# Allegro board SDHCalFEB.brd (continued)
## Nets (continued)
ANALOGIN47_ASIC_C3: C917.2 U715.36(IN<46>)
ANALOGIN47_ASIC_C4: C1004.2 U780.36(IN<46>)
ANALOGIN48_ASIC_A1: C48.2 U65.37(IN<47>)
ANALOGIN48_ASIC_A2: C135.2 U130.37(IN<47>)
ANALOGIN48_ASIC_A3: C222.2 U195.37(IN<47>)
ANALOGIN48_ASIC_A4: C309.2 U260.37(IN<47>)
ANALOGIN48_ASIC_B1: C396.2 U325.37(IN<47>)
ANALOGIN48_ASIC_B5: C483.2 U390.37(IN<47>)
ANALOGIN48_ASIC_B6: C570.2 U455.37(IN<47>)
ANALOGIN48_ASIC_B7: C657.2 U520.37(IN<47>)
ANALOGIN48_ASIC_C1: C744.2 U585.37(IN<47>)
ANALOGIN48_ASIC_C2: C831.2 U650.37(IN<47>)
ANALOGIN48_ASIC_C3: C918.2 U715.37(IN<47>)
ANALOGIN48_ASIC_C4: C1005.2 U780.37(IN<47>)
ANALOGIN49_ASIC_A1: C49.2 U65.38(IN<48>)
ANALOGIN49_ASIC_A2: C136.2 U130.38(IN<48>)
ANALOGIN49_ASIC_A3: C223.2 U195.38(IN<48>)
ANALOGIN49_ASIC_A4: C310.2 U260.38(IN<48>)
ANALOGIN49_ASIC_B1: C397.2 U325.38(IN<48>)
ANALOGIN49_ASIC_B5: C484.2 U390.38(IN<48>)
ANALOGIN49_ASIC_B6: C571.2 U455.38(IN<48>)
ANALOGIN49_ASIC_B7: C658.2 U520.38(IN<48>)
ANALOGIN49_ASIC_C1: C745.2 U585.38(IN<48>)
ANALOGIN49_ASIC_C2: C832.2 U650.38(IN<48>)
ANALOGIN49_ASIC_C3: C919.2 U715.38(IN<48>)
ANALOGIN49_ASIC_C4: C1006.2 U780.38(IN<48>)
ANALOGIN50_ASIC_A1: C50.2 U65.39(IN<49>)
ANALOGIN50_ASIC_A2: C137.2 U130.39(IN<49>)
ANALOGIN50_ASIC_A3: C224.2 U195.39(IN<49>)
ANALOGIN50_ASIC_A4: C311.2 U260.39(IN<49>)
ANALOGIN50_ASIC_B1: C398.2 U325.39(IN<49>)
ANALOGIN50_ASIC_B5: C485.2 U390.39(IN<49>)
ANALOGIN50_ASIC_B6: C572.2 U455.39(IN<49>)
ANALOGIN50_ASIC_B7: C659.2 U520.39(IN<49>)
ANALOGIN50_ASIC_C1: C746.2 U585.39(IN<49>)
ANALOGIN50_ASIC_C2: C833.2 U650.39(IN<49>)
ANALOGIN50_ASIC_C3: C920.2 U715.39(IN<49>)
ANALOGIN50_ASIC_C4: C1007.2 U780.39(IN<49>)
ANALOGIN50_ASIC_D1: C1094.2 U845.39(IN<49>)
ANALOGIN50_ASIC_D2: C1181.2 U910.39(IN<49>)
ANALOGIN50_ASIC_D3: C1268.2 U975.39(IN<49>)
ANALOGIN50_ASIC_D4: C1355.2 U1040.39(IN<49>)
ANALOGIN51_ASIC_A1: C51.2 U65.43(IN<50>)
ANALOGIN51_ASIC_A2: C138.2 U130.43(IN<50>)
ANALOGIN51_ASIC_A3: C225.2 U195.43(IN<50>)
ANALOGIN51_ASIC_B1: C399.2 U325.43(IN<50>)
ANALOGIN51_ASIC_B5: C486.2 U390.43(IN<50>)
ANALOGIN51_ASIC_B6: C573.2 U455.43(IN<50>)
ANALOGIN51_ASIC_C1: C747.2 U585.43(IN<50>)
ANALOGIN51_ASIC_C2: C834.2 U650.43(IN<50>)
ANALOGIN51_ASIC_C3: C921.2 U715.43(IN<50>)
ANALOGIN51_ASIC_D1: C1095.2 U845.43(IN<50>)
ANALOGIN51_ASIC_D2: C1182.2 U910.43(IN<50>)
ANALOGIN51_ASIC_D3: C1269.2 U975.43(IN<50>)
ANALOGIN51_ASIC_D4: C1356.2 U1040.43(IN<50>)
ANALOGIN52_ASIC_A1: C52.2 U65.44(IN<51>)
ANALOGIN52_ASIC_A2: C139.2 U130.44(IN<51>)
ANALOGIN52_ASIC_A3: C226.2 U195.44(IN<51>)
ANALOGIN52_ASIC_B1: C400.2 U325.44(IN<51>)
ANALOGIN52_ASIC_B5: C487.2 U390.44(IN<51>)
ANALOGIN52_ASIC_B6: C574.2 U455.44(IN<51>)
ANALOGIN52_ASIC_C1: C748.2 U585.44(IN<51>)
ANALOGIN52_ASIC_C2: C835.2 U650.44(IN<51>)
ANALOGIN52_ASIC_C3: C922.2 U715.44(IN<51>)
ANALOGIN52_ASIC_D1: C1096.2 U845.44(IN<51>)
ANALOGIN52_ASIC_D2: C1183.2 U910.44(IN<51>)
ANALOGIN52_ASIC_D3: C1270.2 U975.44(IN<51>)
ANALOGIN52_ASIC_D4: C1357.2 U1040.44(IN<51>)
ANALOGIN53_ASIC_A1: C53.2 U65.45(IN<52>)
ANALOGIN53_ASIC_A2: C140.2 U130.45(IN<52>)
ANALOGIN53_ASIC_A3: C227.2 U195.45(IN<52>)
ANALOGIN53_ASIC_A4: C314.2 U260.45(IN<52>)
ANALOGIN53_ASIC_B1: C401.2 U325.45(IN<52>)
ANALOGIN53_ASIC_B5: C488.2 U390.45(IN<52>)
ANALOGIN53_ASIC_B6: C575.2 U455.45(IN<52>)
ANALOGIN53_ASIC_B7: C662.2 U520.45(IN<52>)
ANALOGIN53_ASIC_C1: C749.2 U585.45(IN<52>)
ANALOGIN53_ASIC_C2: C836.2 U650.45(IN<52>)
ANALOGIN53_ASIC_C3: C923.2 U715.45(IN<52>)
ANALOGIN53_ASIC_C4: C1010.2 U780.45(IN<52>)
ANALOGIN53_ASIC_D1: C1097.2 U845.45(IN<52>)
ANALOGIN53_ASIC_D2: C1184.2 U910.45(IN<52>)
ANALOGIN53_ASIC_D3: C1271.2 U975.45(IN<52>)
ANALOGIN53_ASIC_D4: C1358.2 U1040.45(IN<52>)
ANALOGIN54_ASIC_A1: C54.2 U65.46(IN<53>)
ANALOGIN54_ASIC_A2: C141.2 U130.46(IN<53>)
ANALOGIN54_ASIC_A3: C228.2 U195.46(IN<53>)
ANALOGIN54_ASIC_A4: C315.2 U260.46(IN<53>)
ANALOGIN54_ASIC_B1: C402.2 U325.46(IN<53>)
ANALOGIN54_ASIC_B5: C489.2 U390.46(IN<53>)
ANALOGIN54_ASIC_B6: C576.2 U455.46(IN<53>)
ANALOGIN54_ASIC_B7: C663.2 U520.46(IN<53>)
ANALOGIN54_ASIC_C1: C750.2 U585.46(IN<53>)
ANALOGIN54_ASIC_C2: C837.2 U650.46(IN<53>)
ANALOGIN54_ASIC_C3: C924.2 U715.46(IN<53>)
ANALOGIN54_ASIC_C4: C1011.2 U780.46(IN<53>)
ANALOGIN54_ASIC_D1: C1098.2 U845.46(IN<53>)
ANALOGIN54_ASIC_D2: C1185.2 U910.46(IN<53>)
ANALOGIN54_ASIC_D3: C1272.2 U975.46(IN<53>)
ANALOGIN54_ASIC_D4: C1359.2 U1040.46(IN<53>)
ANALOGIN55_ASIC_A1: C55.2 U65.47(IN<54>)
ANALOGIN55_ASIC_A2: C142.2 U130.47(IN<54>)
ANALOGIN55_ASIC_A3: C229.2 U195.47(IN<54>)
ANALOGIN55_ASIC_A4: C316.2 U260.47(IN<54>)
ANALOGIN55_ASIC_B1: C403.2 U325.47(IN<54>)
ANALOGIN55_ASIC_B5: C490.2 U390.47(IN<54>)
ANALOGIN55_ASIC_B6: C577.2 U455.47(IN<54>)
ANALOGIN55_ASIC_B7: C664.2 U520.47(IN<54>)
ANALOGIN55_ASIC_C1: C751.2 U585.47(IN<54>)
ANALOGIN55_ASIC_C2: C838.2 U650.47(IN<54>)
ANALOGIN55_ASIC_C3: C925.2 U715.47(IN<54>)
ANALOGIN55_ASIC_C4: C1012.2 U780.47(IN<54>)
ANALOGIN55_ASIC_D1: C1099.2 U845.47(IN<54>)
ANALOGIN55_ASIC_D2: C1186.2 U910.47(IN<54>)
ANALOGIN55_ASIC_D3: C1273.2 U975.47(IN<54>)
ANALOGIN55_ASIC_D4: C1360.2 U1040.47(IN<54>)
ANALOGIN56_ASIC_A1: C56.2 U65.48(IN<55>)
ANALOGIN56_ASIC_A2: C143.2 U130.48(IN<55>)
ANALOGIN56_ASIC_A3: C230.2 U195.48(IN<55>)
ANALOGIN56_ASIC_A4: C317.2 U260.48(IN<55>)
ANALOGIN56_ASIC_B1: C404.2 U325.48(IN<55>)
ANALOGIN56_ASIC_B5: C491.2 U390.48(IN<55>)
ANALOGIN56_ASIC_B6: C578.2 U455.48(IN<55>)
ANALOGIN56_ASIC_B7: C665.2 U520.48(IN<55>)
ANALOGIN56_ASIC_C1: C752.2 U585.48(IN<55>)
ANALOGIN56_ASIC_C2: C839.2 U650.48(IN<55>)
ANALOGIN56_ASIC_C3: C926.2 U715.48(IN<55>)
ANALOGIN56_ASIC_C4: C1013.2 U780.48(IN<55>)
ANALOGIN56_ASIC_D1: C1100.2 U845.48(IN<55>)
ANALOGIN56_ASIC_D2: C1187.2 U910.48(IN<55>)
ANALOGIN56_ASIC_D3: C1274.2 U975.48(IN<55>)
ANALOGIN56_ASIC_D4: C1361.2 U1040.48(IN<55>)
ANALOGIN57_ASIC_A1: C57.2 U65.49(IN<56>)
ANALOGIN57_ASIC_A2: C144.2 U130.49(IN<56>)
ANALOGIN57_ASIC_A3: C231.2 U195.49(IN<56>)
ANALOGIN57_ASIC_A4: C318.2 U260.49(IN<56>)
ANALOGIN57_ASIC_B1: C405.2 U325.49(IN<56>)
ANALOGIN57_ASIC_B5: C492.2 U390.49(IN<56>)
ANALOGIN57_ASIC_B6: C579.2 U455.49(IN<56>)
ANALOGIN57_ASIC_B7: C666.2 U520.49(IN<56>)
ANALOGIN57_ASIC_C1: C753.2 U585.49(IN<56>)
ANALOGIN57_ASIC_C2: C840.2 U650.49(IN<56>)
ANALOGIN57_ASIC_C3: C927.2 U715.49(IN<56>)
ANALOGIN57_ASIC_C4: C1014.2 U780.49(IN<56>)
ANALOGIN57_ASIC_D1: C1101.2 U845.49(IN<56>)
ANALOGIN57_ASIC_D2: C1188.2 U910.49(IN<56>)
ANALOGIN57_ASIC_D3: C1275.2 U975.49(IN<56>)
ANALOGIN57_ASIC_D4: C1362.2 U1040.49(IN<56>)
ANALOGIN58_ASIC_A1: C58.2 U65.50(IN<57>)
ANALOGIN58_ASIC_A2: C145.2 U130.50(IN<57>)
ANALOGIN58_ASIC_A3: C232.2 U195.50(IN<57>)
ANALOGIN58_ASIC_A4: C319.2 U260.50(IN<57>)
ANALOGIN58_ASIC_B1: C406.2 U325.50(IN<57>)
ANALOGIN58_ASIC_B5: C493.2 U390.50(IN<57>)
ANALOGIN58_ASIC_B6: C580.2 U455.50(IN<57>)
ANALOGIN58_ASIC_B7: C667.2 U520.50(IN<57>)
ANALOGIN58_ASIC_C1: C754.2 U585.50(IN<57>)
ANALOGIN58_ASIC_C2: C841.2 U650.50(IN<57>)
ANALOGIN58_ASIC_C3: C928.2 U715.50(IN<57>)
ANALOGIN58_ASIC_C4: C1015.2 U780.50(IN<57>)
ANALOGIN58_ASIC_D1: C1102.2 U845.50(IN<57>)
ANALOGIN58_ASIC_D2: C1189.2 U910.50(IN<57>)
ANALOGIN58_ASIC_D3: C1276.2 U975.50(IN<57>)
ANALOGIN58_ASIC_D4: C1363.2 U1040.50(IN<57>)
ANALOGIN59_ASIC_A1: C59.2 U65.51(IN<58>)
ANALOGIN59_ASIC_A2: C146.2 U130.51(IN<58>)
ANALOGIN59_ASIC_A3: C233.2 U195.51(IN<58>)
ANALOGIN59_ASIC_A4: C320.2 U260.51(IN<58>)
ANALOGIN59_ASIC_B1: C407.2 U325.51(IN<58>)
ANALOGIN59_ASIC_B5: C494.2 U390.51(IN<58>)
ANALOGIN59_ASIC_B6: C581.2 U455.51(IN<58>)
ANALOGIN59_ASIC_B7: C668.2 U520.51(IN<58>)
ANALOGIN59_ASIC_C1: C755.2 U585.51(IN<58>)
ANALOGIN59_ASIC_C2: C842.2 U650.51(IN<58>)
ANALOGIN59_ASIC_C3: C929.2 U715.51(IN<58>)
ANALOGIN59_ASIC_C4: C1016.2 U780.51(IN<58>)
ANALOGIN59_ASIC_D1: C1103.2 U845.51(IN<58>)
ANALOGIN59_ASIC_D2: C1190.2 U910.51(IN<58>)
ANALOGIN59_ASIC_D3: C1277.2 U975.51(IN<58>)
ANALOGIN59_ASIC_D4: C1364.2 U1040.51(IN<58>)
ANALOGIN60_ASIC_A1: C60.2 U65.52(IN<59>)
ANALOGIN60_ASIC_A2: C147.2 U130.52(IN<59>)
ANALOGIN60_ASIC_A3: C234.2 U195.52(IN<59>)
ANALOGIN60_ASIC_A4: C321.2 U260.52(IN<59>)
ANALOGIN60_ASIC_B1: C408.2 U325.52(IN<59>)
ANALOGIN60_ASIC_B5: C495.2 U390.52(IN<59>)
ANALOGIN60_ASIC_B6: C582.2 U455.52(IN<59>)
ANALOGIN60_ASIC_B7: C669.2 U520.52(IN<59>)
ANALOGIN60_ASIC_C1: C756.2 U585.52(IN<59>)
ANALOGIN60_ASIC_C2: C843.2 U650.52(IN<59>)
ANALOGIN60_ASIC_C3: C930.2 U715.52(IN<59>)
ANALOGIN60_ASIC_C4: C1017.2 U780.52(IN<59>)
ANALOGIN60_ASIC_D1: C1104.2 U845.52(IN<59>)
ANALOGIN60_ASIC_D2: C1191.2 U910.52(IN<59>)
ANALOGIN60_ASIC_D3: C1278.2 U975.52(IN<59>)
ANALOGIN60_ASIC_D4: C1365.2 U1040.52(IN<59>)
ANALOGIN61_ASIC_A1: C61.2 U65.53(IN<60>)
ANALOGIN61_ASIC_A2: C148.2 U130.53(IN<60>)
ANALOGIN61_ASIC_A3: C235.2 U195.53(IN<60>)
ANALOGIN61_ASIC_A4: C322.2 U260.53(IN<60>)
ANALOGIN61_ASIC_B1: C409.2 U325.53(IN<60>)
ANALOGIN61_ASIC_B5: C496.2 U390.53(IN<60>)
ANALOGIN61_ASIC_B6: C583.2 U455.53(IN<60>)
ANALOGIN61_ASIC_B7: C670.2 U520.53(IN<60>)
ANALOGIN61_ASIC_C1: C757.2 U585.53(IN<60>)
ANALOGIN61_ASIC_C2: C844.2 U650.53(IN<60>)
ANALOGIN61_ASIC_C3: C931.2 U715.53(IN<60>)
ANALOGIN61_ASIC_C4: C1018.2 U780.53(IN<60>)
ANALOGIN62_ASIC_A1: C62.2 U65.54(IN<61>)
ANALOGIN62_ASIC_A2: C149.2 U130.54(IN<61>)
ANALOGIN62_ASIC_A3: C236.2 U195.54(IN<61>)
ANALOGIN62_ASIC_A4: C323.2 U260.54(IN<61>)
ANALOGIN62_ASIC_B1: C410.2 U325.54(IN<61>)
ANALOGIN62_ASIC_B5: C497.2 U390.54(IN<61>)
ANALOGIN62_ASIC_B6: C584.2 U455.54(IN<61>)
ANALOGIN62_ASIC_B7: C671.2 U520.54(IN<61>)
ANALOGIN62_ASIC_C1: C758.2 U585.54(IN<61>)
ANALOGIN62_ASIC_C2: C845.2 U650.54(IN<61>)
ANALOGIN62_ASIC_C3: C932.2 U715.54(IN<61>)
ANALOGIN62_ASIC_C4: C1019.2 U780.54(IN<61>)
ANALOGIN63_ASIC_A1: C63.2 U65.55(IN<62>)
ANALOGIN63_ASIC_A2: C150.2 U130.55(IN<62>)
ANALOGIN63_ASIC_A3: C237.2 U195.55(IN<62>)
ANALOGIN63_ASIC_A4: C324.2 U260.55(IN<62>)
ANALOGIN63_ASIC_B1: C411.2 U325.55(IN<62>)
ANALOGIN63_ASIC_B5: C498.2 U390.55(IN<62>)
ANALOGIN63_ASIC_B6: C585.2 U455.55(IN<62>)
ANALOGIN63_ASIC_B7: C672.2 U520.55(IN<62>)
ANALOGIN63_ASIC_C1: C759.2 U585.55(IN<62>)
ANALOGIN63_ASIC_C2: C846.2 U650.55(IN<62>)
ANALOGIN63_ASIC_C3: C933.2 U715.55(IN<62>)
ANALOGIN63_ASIC_C4: C1020.2 U780.55(IN<62>)
ANALOGIN64_ASIC_A1: C64.2 U65.56(IN<63>)
ANALOGIN64_ASIC_A2: C151.2 U130.56(IN<63>)
ANALOGIN64_ASIC_A3: C238.2 U195.56(IN<63>)
ANALOGIN64_ASIC_A4: C325.2 U260.56(IN<63>)
ANALOGIN64_ASIC_B1: C412.2 U325.56(IN<63>)
ANALOGIN64_ASIC_B5: C499.2 U390.56(IN<63>)
ANALOGIN64_ASIC_B6: C586.2 U455.56(IN<63>)
ANALOGIN64_ASIC_B7: C673.2 U520.56(IN<63>)
ANALOGIN64_ASIC_C1: C760.2 U585.56(IN<63>)
ANALOGIN64_ASIC_C2: C847.2 U650.56(IN<63>)
ANALOGIN64_ASIC_C3: C934.2 U715.56(IN<63>)
ANALOGIN64_ASIC_C4: C1021.2 U780.56(IN<63>)
ANALOGPOWERGOOD: D7.1(ANODE) R2597.2 U1076.4(PG)
AUTO_CALIA: R68.1 R69.1 R152.1 R401.1 R485.1 R734.1 R818.1 R1067.1 R1151.1 R1359.1
AUTO_CALIB: R235.1 R318.1 R403.1 R568.1 R651.1 R901.1 R984.1 R1234.1 R1317.1 R1361.1
CALI_CS#: J35.B26 U1044.3(C\S\)
CALI_DIN: J35.A25 U1044.1(DIN)
CALI_EXT_ASIC_A1: C66.1 J1.1 R71.1
CALI_EXT_ASIC_A2: C153.1 J3.1 R154.1
CALI_EXT_ASIC_A3: C240.1 J5.1 R237.1
CALI_EXT_ASIC_A4: C327.1 J7.1 R320.1
CALI_EXT_ASIC_B1: C414.1 J9.1 R404.1
CALI_EXT_ASIC_B5: C501.1 J11.1 R487.1
CALI_EXT_ASIC_B6: C588.1 J13.1 R570.1
CALI_EXT_ASIC_B7: C675.1 J15.1 R653.1
CALI_EXT_ASIC_C1: C762.1 J17.1 R737.1
CALI_EXT_ASIC_C2: C849.1 J19.1 R820.1
CALI_EXT_ASIC_C3: C935.1 J21.1 R903.1
CALI_EXT_ASIC_C4: C1022.1 J23.1 R986.1
CALI_EXT_ASIC_D1: C1109.1 J25.1 R1070.1
CALI_EXT_ASIC_D2: C1197.1 J27.1 R1153.1
CALI_EXT_ASIC_D3: C1284.1 J29.1 R1236.1
CALI_EXT_ASIC_D4: C1371.1 J31.1 R1319.1
CALI_SCK: J35.A27 U1044.2(SCLK)
CALI_SIGNAL_A: C1396.1 R1346.1 R1358.1 U1042.3(COM) U1043.2(COM)
CALI_SIGNAL_B: C1397.1 R1353.1 R1360.1 U1046.2(COM) U1047.3(COM)
CALI_SW_A: J35.B24 U1043.4(IN)
CALI_SW_B: J35.A29 U1046.4(IN)
CHIPSATB_A: J35.B14 R80.2 U65.108(CHIPSATB) U130.108(CHIPSATB) U195.108(CHIPSATB) U260.108(CHIPSATB)
CHIPSATB_B: J34.B34 R413.2 U325.108(CHIPSATB) U390.108(CHIPSATB) U455.108(CHIPSATB) U520.108(CHIPSATB)
CHIPSATB_C: J34.B14 R746.2 U585.108(CHIPSATB) U650.108(CHIPSATB) U715.108(CHIPSATB) U780.108(CHIPSATB)
CHIPSATB_D: J33.B22 R1079.2 U845.108(CHIPSATB) U910.108(CHIPSATB) U975.108(CHIPSATB) U1040.108(CHIPSATB)
CHIPSATB_E: J33.A7 R1337.1
CK_5N: J34.B6 U1055.7(DI-)
CK_5N_A: R324.1 R2601.1 U65.98(CK_5N) U130.98(CK_5N) U195.98(CK_5N) U260.98(CK_5N)
CK_5N_B: R657.1 R2609.1 U325.98(CK_5N) U390.98(CK_5N) U455.98(CK_5N) U520.98(CK_5N)
CK_5N_C: R990.1 R2617.1 U585.98(CK_5N) U650.98(CK_5N) U715.98(CK_5N) U780.98(CK_5N)
CK_5N_D: R1323.1 R2625.1 U845.98(CK_5N) U910.98(CK_5N) U975.98(CK_5N) U1040.98(CK_5N)
CK_5P: J34.B5 U1055.6(DI+)
CK_5P_A: R324.2 R2602.1 U65.97(CK_5P) U130.97(CK_5P) U195.97(CK_5P) U260.97(CK_5P)
CK_5P_B: R657.2 R2610.1 U325.97(CK_5P) U390.97(CK_5P) U455.97(CK_5P) U520.97(CK_5P)
CK_5P_C: R990.2 R2618.1 U585.97(CK_5P) U650.97(CK_5P) U715.97(CK_5P) U780.97(CK_5P)
CK_5P_D: R1323.2 R2626.1 U845.97(CK_5P) U910.97(CK_5P) U975.97(CK_5P) U1040.97(CK_5P)
CK_40N: J34.A8 U1057.7(DI-)
CK_40N_A: R325.2 R2599.1 U65.100(CK_40N) U130.100(CK_40N) U195.100(CK_40N) U260.100(CK_40N)
CK_40N_B: R658.2 R2607.1 U325.100(CK_40N) U390.100(CK_40N) U455.100(CK_40N) U520.100(CK_40N)
CK_40N_C: R991.2 R2615.1 U585.100(CK_40N) U650.100(CK_40N) U715.100(CK_40N) U780.100(CK_40N)
CK_40N_D: R1324.2 R2623.1 U845.100(CK_40N) U910.100(CK_40N) U975.100(CK_40N) U1040.100(CK_40N)
CK_40P: J34.A7 U1057.6(DI+)
CK_40P_A: R325.1 R2600.1 U65.99(CK_40P) U130.99(CK_40P) U195.99(CK_40P) U260.99(CK_40P)
CK_40P_B: R658.1 R2608.1 U325.99(CK_40P) U390.99(CK_40P) U455.99(CK_40P) U520.99(CK_40P)
CK_40P_C: R991.1 R2616.1 U585.99(CK_40P) U650.99(CK_40P) U715.99(CK_40P) U780.99(CK_40P)
CK_40P_D: R1324.1 R2624.1 U845.99(CK_40P) U910.99(CK_40P) U975.99(CK_40P) U1040.99(CK_40P)
COLUMNSELECT0: J35.A37 R2594.1 U1058.1(A0) U1061.15(A2) U1062.1(A0) U1065.1(A0) U1067.15(A2) U1069.1(A0) U1071.15(A2)
COLUMNSELECT1: J35.B38 R2593.1 U1058.10(A1) U1061.16(A1) U1062.10(A1) U1065.10(A1) U1067.16(A1) U1069.10(A1) U1071.16(A1)
COLUMNSELECT2: J35.A39 R2592.1 U1061.1(A0) U1067.1(A0) U1071.1(A0)
CTEST_ASIC_A1: R68.2 R70.2 U65.59(CTEST)
CTEST_ASIC_A2: R152.2 R153.2 U130.59(CTEST)
CTEST_ASIC_A3: R235.2 R236.2 U195.59(CTEST)
CTEST_ASIC_A4: R318.2 R319.2 U260.59(CTEST)
CTEST_ASIC_B1: R401.2 R402.2 U325.59(CTEST)
CTEST_ASIC_B5: R485.2 R486.2 U390.59(CTEST)
CTEST_ASIC_B6: R568.2 R569.2 U455.59(CTEST)
CTEST_ASIC_B7: R651.2 R652.2 U520.59(CTEST)
CTEST_ASIC_C1: R734.2 R736.2 U585.59(CTEST)
CTEST_ASIC_C2: R818.2 R819.2 U650.59(CTEST)
CTEST_ASIC_C3: R901.2 R902.2 U715.59(CTEST)
CTEST_ASIC_C4: R984.2 R985.2 U780.59(CTEST)
CTEST_ASIC_D1: R1067.2 R1068.2 U845.59(CTEST)
CTEST_ASIC_D2: R1151.2 R1152.2 U910.59(CTEST)
CTEST_ASIC_D3: R1234.2 R1235.2 U975.59(CTEST)
CTEST_ASIC_D4: R1317.2 R1318.2 U1040.59(CTEST)
CTEST_SMA_ASIC_A1: J2.1 R70.1 R72.2
CTEST_SMA_ASIC_A2: J4.1 R153.1 R155.2
CTEST_SMA_ASIC_A3: J6.1 R236.1 R238.2
CTEST_SMA_ASIC_A4: J8.1 R319.1 R321.2
CTEST_SMA_ASIC_B1: J10.1 R402.1 R405.2
CTEST_SMA_ASIC_B5: J12.1 R486.1 R488.2
CTEST_SMA_ASIC_B6: J14.1 R569.1 R571.2
CTEST_SMA_ASIC_B7: J16.1 R652.1 R654.2
CTEST_SMA_ASIC_C1: J18.1 R736.1 R738.2
CTEST_SMA_ASIC_C2: J20.1 R819.1 R821.2
CTEST_SMA_ASIC_C3: J22.1 R902.1 R904.2
CTEST_SMA_ASIC_C4: J24.1 R985.1 R987.2
CTEST_SMA_ASIC_D1: J26.1 R1068.1 R1071.2
CTEST_SMA_ASIC_D2: J28.1 R1152.1 R1154.2
CTEST_SMA_ASIC_D3: J30.1 R1235.1 R1237.2
CTEST_SMA_ASIC_D4: J32.1 R1318.1 R1320.2
DAC_O1: R1349.2 R1351.2 U1045.5(INB+)
DAC_O2: R1348.2 R1350.1 U1045.3(INA+)
DIGITALPOWERGOOD: D8.1(ANODE) R2598.2 U1077.4(PG)
DOUT1B_A: J35.B10 R83.2 U65.104(DOUT1B) U130.104(DOUT1B) U195.104(DOUT1B) U260.104(DOUT1B)
DOUT1B_B: J34.A29 R416.2 U325.104(DOUT1B) U390.104(DOUT1B) U455.104(DOUT1B) U520.104(DOUT1B)
DOUT1B_C: J33.B40 R749.2 U585.104(DOUT1B) U650.104(DOUT1B) U715.104(DOUT1B) U780.104(DOUT1B)
DOUT1B_D: J33.B18 R1082.2 U845.104(DOUT1B) U910.104(DOUT1B) U975.104(DOUT1B) U1040.104(DOUT1B)
DOUT1B_E: J33.A3 R1333.1
DOUT2B_A: J35.A11 R84.2 U65.105(DOUT2B) U130.105(DOUT2B) U195.105(DOUT2B) U260.105(DOUT2B)
DOUT2B_B: J34.B30 R417.2 U325.105(DOUT2B) U390.105(DOUT2B) U455.105(DOUT2B) U520.105(DOUT2B)
DOUT2B_C: J34.A11 R750.2 U585.105(DOUT2B) U650.105(DOUT2B) U715.105(DOUT2B) U780.105(DOUT2B)
DOUT2B_D: J33.A19 R1083.2 U845.105(DOUT2B) U910.105(DOUT2B) U975.105(DOUT2B) U1040.105(DOUT2B)
DOUT2B_E: J33.B4 R1334.1
ENDREADOUT1_A: J35.B22 TP35.1 U260.112(END_READOUT1)
ENDREADOUT1_B: J35.A7 TP79.1 U520.112(END_READOUT1)
ENDREADOUT1_C: J34.B22 TP125.1 U780.112(END_READOUT1)
ENDREADOUT1_D: J33.A33 TP169.1 U1040.112(END_READOUT1)
ENDREADOUT1_E: J33.A15 R1339.1
ENDREADOUT2_A: J35.A21 U260.113(END_READOUT2)
ENDREADOUT2_B: J35.B6 U520.113(END_READOUT2)
ENDREADOUT2_C: J34.A21 U780.113(END_READOUT2)
ENDREADOUT2_D: J33.B32 U1040.113(END_READOUT2)
ENDREADOUT2_E: J33.B14 R1340.1
ESD_SIGNAL1_ASIC_A1: C1.1 R1.2 U1.3(COM)
ESD_SIGNAL1_ASIC_A2: C88.1 R85.2 U66.3(COM)
ESD_SIGNAL1_ASIC_A3: C175.1 R168.2 U131.3(COM)
ESD_SIGNAL1_ASIC_A4: C262.1 R251.2 U196.3(COM)
ESD_SIGNAL1_ASIC_B1: C349.1 R334.2 U261.3(COM)
ESD_SIGNAL1_ASIC_B5: C436.1 R418.2 U326.3(COM)
ESD_SIGNAL1_ASIC_B6: C523.1 R501.2 U391.3(COM)
ESD_SIGNAL1_ASIC_B7: C610.1 R584.2 U456.3(COM)
ESD_SIGNAL1_ASIC_C1: C697.1 R667.2 U521.3(COM)
ESD_SIGNAL1_ASIC_C2: C784.1 R751.2 U586.3(COM)
ESD_SIGNAL1_ASIC_C3: C871.1 R834.2 U651.3(COM)
ESD_SIGNAL1_ASIC_C4: C958.1 R917.2 U716.3(COM)
ESD_SIGNAL1_ASIC_D1: C1045.1 R1000.2 U781.3(COM)
ESD_SIGNAL1_ASIC_D2: C1132.1 R1084.2 U846.3(COM)
ESD_SIGNAL1_ASIC_D3: C1219.1 R1167.2 U911.3(COM)
ESD_SIGNAL1_ASIC_D4: C1306.1 R1250.2 U976.3(COM)
ESD_SIGNAL2_ASIC_A1: C2.1 R2.2 U2.3(COM)
ESD_SIGNAL2_ASIC_A2: C89.1 R86.2 U67.3(COM)
ESD_SIGNAL2_ASIC_A3: C176.1 R169.2 U132.3(COM)
ESD_SIGNAL2_ASIC_A4: C263.1 R252.2 U197.3(COM)
ESD_SIGNAL2_ASIC_B1: C350.1 R335.2 U262.3(COM)
ESD_SIGNAL2_ASIC_B5: C437.1 R419.2 U327.3(COM)
ESD_SIGNAL2_ASIC_B6: C524.1 R502.2 U392.3(COM)
ESD_SIGNAL2_ASIC_B7: C611.1 R585.2 U457.3(COM)
ESD_SIGNAL2_ASIC_C1: C698.1 R668.2 U522.3(COM)
ESD_SIGNAL2_ASIC_C2: C785.1 R752.2 U587.3(COM)
ESD_SIGNAL2_ASIC_C3: C872.1 R835.2 U652.3(COM)
ESD_SIGNAL2_ASIC_C4: C959.1 R918.2 U717.3(COM)
ESD_SIGNAL2_ASIC_D1: C1046.1 R1001.2 U782.3(COM)
ESD_SIGNAL2_ASIC_D2: C1133.1 R1085.2 U847.3(COM)
ESD_SIGNAL2_ASIC_D3: C1220.1 R1168.2 U912.3(COM)
ESD_SIGNAL2_ASIC_D4: C1307.1 R1251.2 U977.3(COM)
ESD_SIGNAL3_ASIC_A1: C3.1 R3.2 U3.3(COM)
ESD_SIGNAL3_ASIC_A2: C90.1 R87.2 U68.3(COM)
ESD_SIGNAL3_ASIC_A3: C177.1 R170.2 U133.3(COM)
ESD_SIGNAL3_ASIC_A4: C264.1 R253.2 U198.3(COM)
ESD_SIGNAL3_ASIC_B1: C351.1 R336.2 U263.3(COM)
ESD_SIGNAL3_ASIC_B5: C438.1 R420.2 U328.3(COM)
ESD_SIGNAL3_ASIC_B6: C525.1 R503.2 U393.3(COM)
ESD_SIGNAL3_ASIC_B7: C612.1 R586.2 U458.3(COM)
ESD_SIGNAL3_ASIC_C1: C699.1 R669.2 U523.3(COM)
ESD_SIGNAL3_ASIC_C2: C786.1 R753.2 U588.3(COM)
ESD_SIGNAL3_ASIC_C3: C873.1 R836.2 U653.3(COM)
ESD_SIGNAL3_ASIC_C4: C960.1 R919.2 U718.3(COM)
ESD_SIGNAL3_ASIC_D1: C1047.1 R1002.2 U783.3(COM)
ESD_SIGNAL3_ASIC_D2: C1134.1 R1086.2 U848.3(COM)
ESD_SIGNAL3_ASIC_D3: C1221.1 R1169.2 U913.3(COM)
ESD_SIGNAL3_ASIC_D4: C1308.1 R1252.2 U978.3(COM)
ESD_SIGNAL4_ASIC_A1: C4.1 R4.2 U4.3(COM)
ESD_SIGNAL4_ASIC_A2: C91.1 R88.2 U69.3(COM)
ESD_SIGNAL4_ASIC_A3: C178.1 R171.2 U134.3(COM)
ESD_SIGNAL4_ASIC_A4: C265.1 R254.2 U199.3(COM)
ESD_SIGNAL4_ASIC_B1: C352.1 R337.2 U264.3(COM)
ESD_SIGNAL4_ASIC_B5: C439.1 R421.2 U329.3(COM)
ESD_SIGNAL4_ASIC_B6: C526.1 R504.2 U394.3(COM)
ESD_SIGNAL4_ASIC_B7: C613.1 R587.2 U459.3(COM)
ESD_SIGNAL4_ASIC_C1: C700.1 R670.2 U524.3(COM)
ESD_SIGNAL4_ASIC_C2: C787.1 R754.2 U589.3(COM)
ESD_SIGNAL4_ASIC_C3: C874.1 R837.2 U654.3(COM)
ESD_SIGNAL4_ASIC_C4: C961.1 R920.2 U719.3(COM)
ESD_SIGNAL4_ASIC_D1: C1048.1 R1003.2 U784.3(COM)
ESD_SIGNAL4_ASIC_D2: C1135.1 R1087.2 U849.3(COM)
ESD_SIGNAL4_ASIC_D3: C1222.1 R1170.2 U914.3(COM)
ESD_SIGNAL4_ASIC_D4: C1309.1 R1253.2 U979.3(COM)
ESD_SIGNAL5_ASIC_A1: C5.1 R5.2 U5.3(COM)
ESD_SIGNAL5_ASIC_A2: C92.1 R89.2 U70.3(COM)
ESD_SIGNAL5_ASIC_A3: C179.1 R172.2 U135.3(COM)
ESD_SIGNAL5_ASIC_A4: C266.1 R255.2 U200.3(COM)
ESD_SIGNAL5_ASIC_B1: C353.1 R338.2 U265.3(COM)
ESD_SIGNAL5_ASIC_B5: C440.1 R422.2 U330.3(COM)
ESD_SIGNAL5_ASIC_B6: C527.1 R505.2 U395.3(COM)
ESD_SIGNAL5_ASIC_B7: C614.1 R588.2 U460.3(COM)
ESD_SIGNAL5_ASIC_C1: C701.1 R671.2 U525.3(COM)
ESD_SIGNAL5_ASIC_C2: C788.1 R755.2 U590.3(COM)
ESD_SIGNAL5_ASIC_C3: C875.1 R838.2 U655.3(COM)
ESD_SIGNAL5_ASIC_C4: C962.1 R921.2 U720.3(COM)
ESD_SIGNAL5_ASIC_D1: C1049.1 R1004.2 U785.3(COM)
ESD_SIGNAL5_ASIC_D2: C1136.1 R1088.2 U850.3(COM)
ESD_SIGNAL5_ASIC_D3: C1223.1 R1171.2 U915.3(COM)
ESD_SIGNAL5_ASIC_D4: C1310.1 R1254.2 U980.3(COM)
ESD_SIGNAL6_ASIC_A1: C6.1 R6.2 U6.3(COM)
ESD_SIGNAL6_ASIC_A2: C93.1 R90.2 U71.3(COM)
ESD_SIGNAL6_ASIC_A3: C180.1 R173.2 U136.3(COM)
ESD_SIGNAL6_ASIC_A4: C267.1 R256.2 U201.3(COM)
ESD_SIGNAL6_ASIC_B1: C354.1 R339.2 U266.3(COM)
ESD_SIGNAL6_ASIC_B5: C441.1 R423.2 U331.3(COM)
ESD_SIGNAL6_ASIC_B6: C528.1 R506.2 U396.3(COM)
ESD_SIGNAL6_ASIC_B7: C615.1 R589.2 U461.3(COM)
ESD_SIGNAL6_ASIC_C1: C702.1 R672.2 U526.3(COM)
ESD_SIGNAL6_ASIC_C2: C789.1 R756.2 U591.3(COM)
ESD_SIGNAL6_ASIC_C3: C876.1 R839.2 U656.3(COM)
ESD_SIGNAL6_ASIC_C4: C963.1 R922.2 U721.3(COM)
ESD_SIGNAL6_ASIC_D1: C1050.1 R1005.2 U786.3(COM)
ESD_SIGNAL6_ASIC_D2: C1137.1 R1089.2 U851.3(COM)
ESD_SIGNAL6_ASIC_D3: C1224.1 R1172.2 U916.3(COM)
ESD_SIGNAL6_ASIC_D4: C1311.1 R1255.2 U981.3(COM)
ESD_SIGNAL7_ASIC_A1: C7.1 R7.2 U7.3(COM)
ESD_SIGNAL7_ASIC_A2: C94.1 R91.2 U72.3(COM)
ESD_SIGNAL7_ASIC_A3: C181.1 R174.2 U137.3(COM)
ESD_SIGNAL7_ASIC_A4: C268.1 R257.2 U202.3(COM)
ESD_SIGNAL7_ASIC_B1: C355.1 R340.2 U267.3(COM)
ESD_SIGNAL7_ASIC_B5: C442.1 R424.2 U332.3(COM)
ESD_SIGNAL7_ASIC_B6: C529.1 R507.2 U397.3(COM)
ESD_SIGNAL7_ASIC_B7: C616.1 R590.2 U462.3(COM)
ESD_SIGNAL7_ASIC_C1: C703.1 R673.2 U527.3(COM)
ESD_SIGNAL7_ASIC_C2: C790.1 R757.2 U592.3(COM)
ESD_SIGNAL7_ASIC_C3: C877.1 R840.2 U657.3(COM)
ESD_SIGNAL7_ASIC_C4: C964.1 R923.2 U722.3(COM)
ESD_SIGNAL7_ASIC_D1: C1051.1 R1006.2 U787.3(COM)
ESD_SIGNAL7_ASIC_D2: C1138.1 R1090.2 U852.3(COM)
ESD_SIGNAL7_ASIC_D3: C1225.1 R1173.2 U917.3(COM)
ESD_SIGNAL7_ASIC_D4: C1312.1 R1256.2 U982.3(COM)
ESD_SIGNAL8_ASIC_A1: C8.1 R8.2 U8.3(COM)
ESD_SIGNAL8_ASIC_A2: C95.1 R92.2 U73.3(COM)
ESD_SIGNAL8_ASIC_A3: C182.1 R175.2 U138.3(COM)
ESD_SIGNAL8_ASIC_A4: C269.1 R258.2 U203.3(COM)
ESD_SIGNAL8_ASIC_B1: C356.1 R341.2 U268.3(COM)
ESD_SIGNAL8_ASIC_B5: C443.1 R425.2 U333.3(COM)
ESD_SIGNAL8_ASIC_B6: C530.1 R508.2 U398.3(COM)
ESD_SIGNAL8_ASIC_B7: C617.1 R591.2 U463.3(COM)
ESD_SIGNAL8_ASIC_C1: C704.1 R674.2 U528.3(COM)
ESD_SIGNAL8_ASIC_C2: C791.1 R758.2 U593.3(COM)
ESD_SIGNAL8_ASIC_C3: C878.1 R841.2 U658.3(COM)
ESD_SIGNAL8_ASIC_C4: C965.1 R924.2 U723.3(COM)
ESD_SIGNAL8_ASIC_D1: C1052.1 R1007.2 U788.3(COM)
ESD_SIGNAL8_ASIC_D2: C1139.1 R1091.2 U853.3(COM)
ESD_SIGNAL8_ASIC_D3: C1226.1 R1174.2 U918.3(COM)
ESD_SIGNAL8_ASIC_D4: C1313.1 R1257.2 U983.3(COM)
ESD_SIGNAL9_ASIC_A1: C9.1 R9.2 U9.3(COM)
ESD_SIGNAL9_ASIC_A2: C96.1 R93.2 U74.3(COM)
ESD_SIGNAL9_ASIC_A3: C183.1 R176.2 U139.3(COM)
ESD_SIGNAL9_ASIC_A4: C270.1 R259.2 U204.3(COM)
ESD_SIGNAL9_ASIC_B1: C357.1 R342.2 U269.3(COM)
ESD_SIGNAL9_ASIC_B5: C444.1 R426.2 U334.3(COM)
ESD_SIGNAL9_ASIC_B6: C531.1 R509.2 U399.3(COM)
ESD_SIGNAL9_ASIC_B7: C618.1 R592.2 U464.3(COM)
ESD_SIGNAL9_ASIC_C1: C705.1 R675.2 U529.3(COM)
ESD_SIGNAL9_ASIC_C2: C792.1 R759.2 U594.3(COM)
ESD_SIGNAL9_ASIC_C3: C879.1 R842.2 U659.3(COM)
ESD_SIGNAL9_ASIC_C4: C966.1 R925.2 U724.3(COM)
ESD_SIGNAL9_ASIC_D1: C1053.1 R1008.2 U789.3(COM)
ESD_SIGNAL9_ASIC_D2: C1140.1 R1092.2 U854.3(COM)
ESD_SIGNAL9_ASIC_D3: C1227.1 R1175.2 U919.3(COM)
ESD_SIGNAL9_ASIC_D4: C1314.1 R1258.2 U984.3(COM)
ESD_SIGNAL10_ASIC_A1: C10.1 R10.2 U10.3(COM)
ESD_SIGNAL10_ASIC_A2: C97.1 R94.2 U75.3(COM)
ESD_SIGNAL10_ASIC_A3: C184.1 R177.2 U140.3(COM)
ESD_SIGNAL10_ASIC_A4: C271.1 R260.2 U205.3(COM)
ESD_SIGNAL10_ASIC_B1: C358.1 R343.2 U270.3(COM)
ESD_SIGNAL10_ASIC_B5: C445.1 R427.2 U335.3(COM)
ESD_SIGNAL10_ASIC_B6: C532.1 R510.2 U400.3(COM)
ESD_SIGNAL10_ASIC_B7: C619.1 R593.2 U465.3(COM)
ESD_SIGNAL10_ASIC_C1: C706.1 R676.2 U530.3(COM)
ESD_SIGNAL10_ASIC_C2: C793.1 R760.2 U595.3(COM)
ESD_SIGNAL10_ASIC_C3: C880.1 R843.2 U660.3(COM)
ESD_SIGNAL10_ASIC_C4: C967.1 R926.2 U725.3(COM)
ESD_SIGNAL10_ASIC_D1: C1054.1 R1009.2 U790.3(COM)
ESD_SIGNAL10_ASIC_D2: C1141.1 R1093.2 U855.3(COM)
ESD_SIGNAL10_ASIC_D3: C1228.1 R1176.2 U920.3(COM)
ESD_SIGNAL10_ASIC_D4: C1315.1 R1259.2 U985.3(COM)
ESD_SIGNAL11_ASIC_A1: C11.1 R11.2 U11.3(COM)
ESD_SIGNAL11_ASIC_A2: C98.1 R95.2 U76.3(COM)
ESD_SIGNAL11_ASIC_A3: C185.1 R178.2 U141.3(COM)
ESD_SIGNAL11_ASIC_A4: C272.1 R261.2 U206.3(COM)
ESD_SIGNAL11_ASIC_B1: C359.1 R344.2 U271.3(COM)
ESD_SIGNAL11_ASIC_B5: C446.1 R428.2 U336.3(COM)
ESD_SIGNAL11_ASIC_B6: C533.1 R511.2 U401.3(COM)
ESD_SIGNAL11_ASIC_B7: C620.1 R594.2 U466.3(COM)
ESD_SIGNAL11_ASIC_C1: C707.1 R677.2 U531.3(COM)
ESD_SIGNAL11_ASIC_C2: C794.1 R761.2 U596.3(COM)
ESD_SIGNAL11_ASIC_C3: C881.1 R844.2 U661.3(COM)
ESD_SIGNAL11_ASIC_C4: C968.1 R927.2 U726.3(COM)
ESD_SIGNAL11_ASIC_D1: C1055.1 R1010.2 U791.3(COM)
ESD_SIGNAL11_ASIC_D2: C1142.1 R1094.2 U856.3(COM)
ESD_SIGNAL11_ASIC_D3: C1229.1 R1177.2 U921.3(COM)
ESD_SIGNAL11_ASIC_D4: C1316.1 R1260.2 U986.3(COM)
ESD_SIGNAL12_ASIC_A1: C12.1 R12.2 U12.3(COM)
